# KiCad board JL.kicad_pcb (continued)
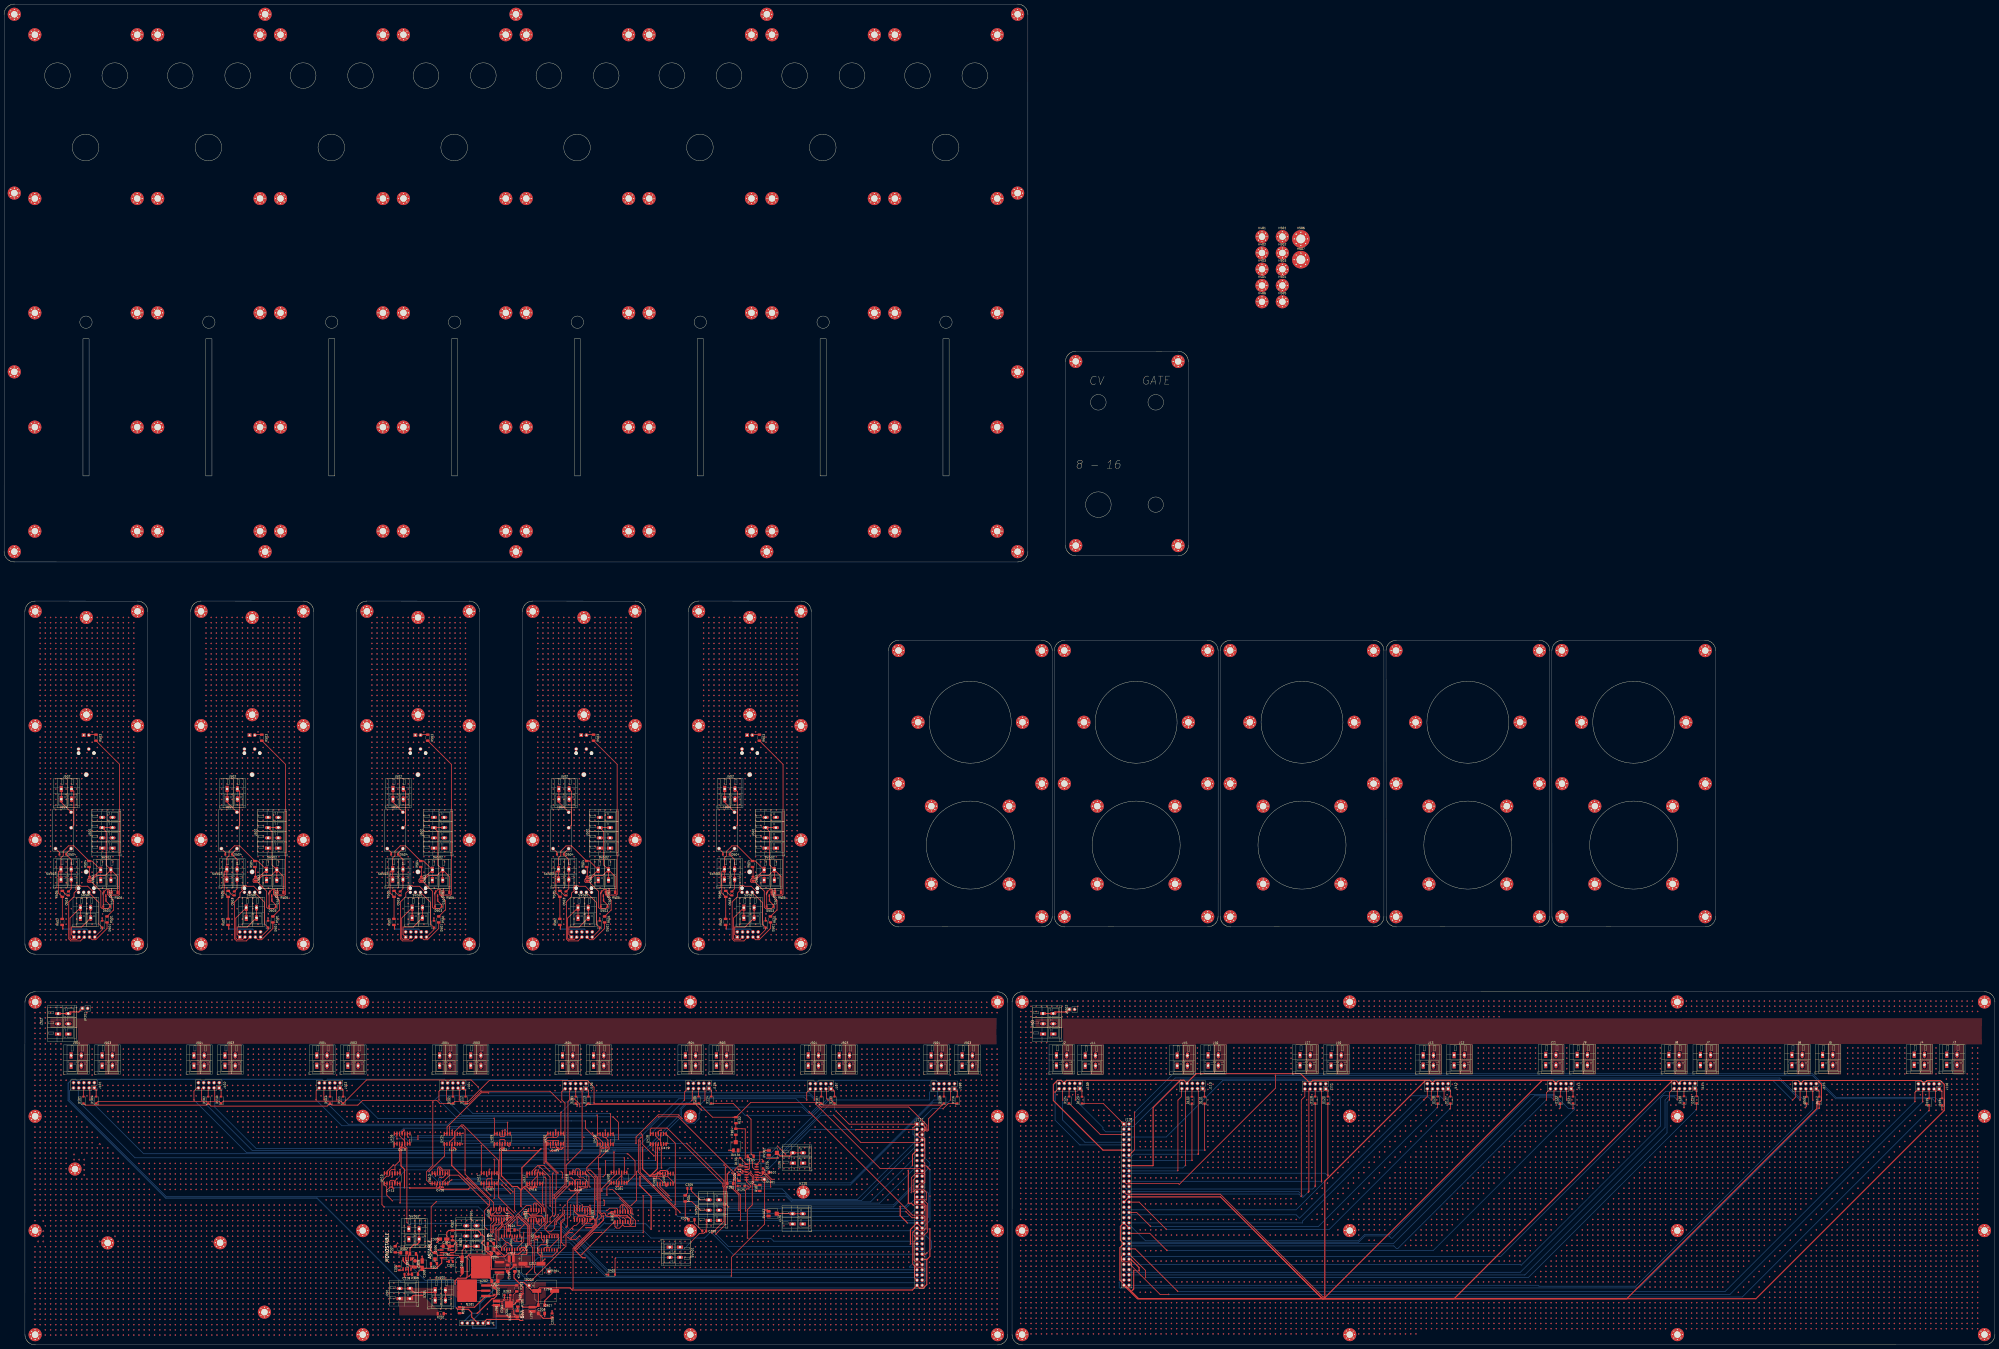
[diagram p0: board, top side]
## Routing (per net, layer and track width the routed paths; a pad name or vN(x,y) marks a point on that pad's centre or on a via; arc(x,y) is an arc through that point) (continued)
v1(78.57,111.49) v1(78.57,108.95) v1(78.57,106.41) v1(78.57,103.87) v1(78.57,101.33) v1(78.57,98.79) v1(78.57,96.25) v1(78.57,88.63) v1(78.57,86.09) v1(78.57,83.55) v1(78.57,81.01) v1(78.57,78.47) v1(78.57,75.93) v1(78.57,68.31) v1(78.57,65.77) v1(78.57,63.23) v1(78.57,60.69) v1(78.57,58.15) v1(78.57,55.61) v1(78.57,53.07) v1(78.57,50.53) v1(78.57,47.99) v1(78.57,45.45) v1(78.57,42.91) v1(78.57,40.37) v1(78.57,37.83) v1(78.57,35.29) v1(78.57,32.75) v1(78.57,30.21) v1(78.57,27.67) v1(78.57,25.13) v1(78.57,22.59) v1(78.57,20.05) v1(78.57,17.51) v1(78.57,14.97) v1(78.57,12.43) v1(78.57,9.89) v1(78.57,7.35) v1(78.57,4.81) v1(81.11,167.37) v1(81.11,164.83) v1(81.11,162.29) v1(81.11,144.51) v1(81.11,141.97) v1(81.11,139.43) v1(81.11,136.89) v1(81.11,134.35) v1(81.11,131.81) v1(81.11,126.73) v1(81.11,124.19) v1(81.11,121.65) v1(81.11,114.03) v1(81.11,111.49) v1(81.11,108.95) v1(81.11,106.41) v1(81.11,103.87) v1(81.11,101.33) v1(81.11,98.79) v1(81.11,96.25) v1(81.11,88.63) v1(81.11,86.09) v1(81.11,83.55) v1(81.11,81.01) v1(81.11,78.47) v1(81.11,75.93) v1(81.11,68.31) v1(81.11,65.77) v1(81.11,63.23) v1(81.11,60.69) v1(81.11,58.15) v1(81.11,55.61) v1(81.11,53.07) v1(81.11,50.53) v1(81.11,47.99) v1(81.11,45.45) v1(81.11,42.91) v1(81.11,40.37) v1(81.11,37.83) v1(81.11,35.29) v1(81.11,32.75) v1(81.11,30.21) v1(81.11,27.67) v1(81.11,25.13) v1(81.11,22.59) v1(81.11,20.05) v1(81.11,17.51) v1(81.11,14.97) v1(81.11,12.43) v1(81.11,9.89) v1(81.11,7.35) v1(81.11,4.81) v1(83.65,167.37) v1(83.65,164.83) v1(83.65,162.29) v1(83.65,144.51) v1(83.65,141.97) v1(83.65,139.43) v1(83.65,136.89) v1(83.65,134.35) v1(83.65,131.81) v1(83.65,126.73) v1(83.65,124.19) v1(83.65,121.65) v1(83.65,114.03) v1(83.65,111.49) v1(83.65,108.95) v1(83.65,106.41) v1(83.65,103.87) v1(83.65,101.33) v1(83.65,98.79) v1(83.65,96.25) v1(83.65,88.63) v1(83.65,86.09) v1(83.65,83.55) v1(83.65,81.01) v1(83.65,78.47) v1(83.65,75.93) v1(83.65,68.31) v1(83.65,65.77) v1(83.65,63.23) v1(83.65,60.69) v1(83.65,58.15) v1(83.65,55.61) v1(83.65,53.07) v1(83.65,50.53) v1(83.65,47.99) v1(83.65,45.45) v1(83.65,42.91) v1(83.65,40.37) v1(83.65,37.83) v1(83.65,35.29) v1(83.65,32.75) v1(83.65,30.21) v1(83.65,27.67) v1(83.65,25.13) v1(83.65,22.59) v1(83.65,20.05) v1(83.65,17.51) v1(83.65,14.97) v1(83.65,12.43) v1(83.65,9.89) v1(83.65,7.35) v1(83.65,4.81) v1(86.19,167.37) v1(86.19,164.83) v1(86.19,162.29) v1(86.19,144.51) v1(86.19,141.97) v1(86.19,139.43) v1(86.19,136.89) v1(86.19,134.35) v1(86.19,131.81) v1(86.19,126.73) v1(86.19,124.19) v1(86.19,121.65) v1(86.19,114.03) v1(86.19,111.49) v1(86.19,108.95) v1(86.19,106.41) v1(86.19,103.87) v1(86.19,101.33) v1(86.19,98.79) v1(86.19,96.25) v1(86.19,88.63) v1(86.19,86.09) v1(86.19,83.55) v1(86.19,81.01) v1(86.19,78.47) v1(86.19,75.93) v1(86.19,68.31) v1(86.19,65.77) v1(86.19,63.23) v1(86.19,60.69) v1(86.19,58.15) v1(86.19,55.61) v1(86.19,53.07) v1(86.19,50.53) v1(86.19,47.99) v1(86.19,45.45) v1(86.19,42.91) v1(86.19,40.37) v1(86.19,37.83) v1(86.19,35.29) v1(86.19,32.75) v1(86.19,30.21) v1(86.19,27.67) v1(86.19,25.13) v1(86.19,22.59) v1(86.19,20.05) v1(86.19,17.51) v1(86.19,14.97) v1(86.19,12.43) v1(86.19,9.89) v1(86.19,7.35) v1(86.19,4.81) v1(88.73,167.37) v1(88.73,164.83) v1(88.73,162.29) v1(88.73,126.73) v1(88.73,124.19) v1(88.73,121.65) v1(88.73,114.03) v1(88.73,111.49) v1(88.73,108.95) v1(88.73,106.41) v1(88.73,103.87) v1(88.73,101.33) v1(88.73,98.79) v1(88.73,96.25) v1(88.73,88.63) v1(88.73,86.09) v1(88.73,83.55) v1(88.73,81.01) v1(88.73,78.47) v1(88.73,75.93) v1(88.73,68.31) v1(88.73,65.77) v1(88.73,63.23) v1(88.73,60.69) v1(88.73,58.15) v1(88.73,55.61) v1(88.73,53.07) v1(88.73,50.53) v1(88.73,47.99) v1(88.73,45.45) v1(88.73,42.91) v1(88.73,40.37) v1(88.73,37.83) v1(88.73,35.29) v1(88.73,32.75) v1(88.73,30.21) v1(88.73,27.67) v1(88.73,25.13) v1(88.73,22.59) v1(88.73,20.05) v1(88.73,17.51) v1(88.73,14.97) v1(88.73,12.43) v1(88.73,9.89) v1(88.73,7.35) v1(88.73,4.81) v1(91.27,167.37) v1(91.27,164.83) v1(91.27,162.29) v1(91.27,126.73) v1(91.27,124.19) v1(91.27,121.65) v1(91.27,114.03) v1(91.27,111.49) v1(91.27,108.95) v1(91.27,106.41) v1(91.27,103.87) v1(91.27,101.33) v1(91.27,98.79) v1(91.27,96.25) v1(91.27,88.63) v1(91.27,86.09) v1(91.27,83.55) v1(91.27,81.01) v1(91.27,78.47) v1(91.27,75.93) v1(91.27,68.31) v1(91.27,65.77) v1(91.27,63.23) v1(91.27,60.69) v1(91.27,58.15) v1(91.27,55.61) v1(91.27,53.07) v1(91.27,50.53) v1(91.27,47.99) v1(91.27,45.45) v1(91.27,42.91) v1(91.27,40.37) v1(91.27,37.83) v1(91.27,35.29) v1(91.27,32.75) v1(91.27,30.21) v1(91.27,27.67) v1(91.27,25.13) v1(91.27,22.59) v1(91.27,20.05) v1(91.27,17.51) v1(91.27,14.97) v1(91.27,12.43) v1(91.27,9.89) v1(91.27,7.35) v1(91.27,4.81) v1(93.81,167.37) v1(93.81,164.83) v1(93.81,162.29) v1(93.81,121.65) v1(93.81,114.03) v1(93.81,111.49) v1(93.81,108.95) v1(93.81,106.41) v1(93.81,103.87) v1(93.81,101.33) v1(93.81,98.79) v1(93.81,96.25) v1(93.81,88.63) v1(93.81,86.09) v1(93.81,83.55) v1(93.81,81.01) v1(93.81,78.47) v1(93.81,75.93) v1(93.81,68.31) v1(93.81,65.77) v1(93.81,63.23) v1(93.81,60.69) v1(93.81,58.15) v1(93.81,55.61) v1(93.81,53.07) v1(93.81,50.53) v1(93.81,47.99) v1(93.81,45.45) v1(93.81,42.91) v1(93.81,40.37) v1(93.81,37.83) v1(93.81,35.29) v1(93.81,32.75) v1(93.81,30.21) v1(93.81,27.67) v1(93.81,25.13) v1(93.81,22.59) v1(93.81,20.05) v1(93.81,17.51) v1(93.81,14.97) v1(93.81,12.43) v1(93.81,9.89) v1(93.81,7.35) v1(93.81,4.81) v1(96.35,167.37) v1(96.35,164.83) v1(96.35,162.29) v1(96.35,111.49) v1(96.35,108.95) v1(96.35,106.41) v1(96.35,103.87) v1(96.35,101.33) v1(96.35,98.79) v1(96.35,96.25) v1(96.35,88.63) v1(96.35,86.09) v1(96.35,83.55) v1(96.35,81.01) v1(96.35,78.47) v1(96.35,75.93) v1(96.35,68.31) v1(96.35,65.77) v1(96.35,63.23) v1(96.35,60.69) v1(96.35,58.15) v1(96.35,55.61) v1(96.35,53.07) v1(96.35,50.53) v1(96.35,47.99) v1(96.35,45.45) v1(96.35,42.91) v1(96.35,40.37) v1(96.35,37.83) v1(96.35,35.29) v1(96.35,32.75) v1(96.35,30.21) v1(96.35,27.67) v1(96.35,25.13) v1(96.35,22.59) v1(96.35,20.05) v1(96.35,17.51) v1(96.35,14.97) v1(96.35,12.43) v1(96.35,9.89) v1(96.35,7.35) v1(96.35,4.81) v1(98.89,167.37) v1(98.89,164.83) v1(98.89,162.29) v1(98.89,108.95) v1(98.89,106.41) v1(98.89,103.87) v1(98.89,101.33) v1(98.89,98.79) v1(98.89,96.25) v1(98.89,88.63) v1(98.89,86.09) v1(98.89,83.55) v1(98.89,81.01) v1(98.89,78.47) v1(98.89,75.93) v1(98.89,68.31) v1(98.89,65.77) v1(98.89,63.23) v1(98.89,60.69) v1(98.89,58.15) v1(98.89,55.61) v1(98.89,53.07) v1(98.89,50.53) v1(98.89,47.99) v1(98.89,45.45) v1(98.89,42.91) v1(98.89,40.37) v1(98.89,37.83) v1(98.89,35.29) v1(98.89,32.75) v1(98.89,30.21) v1(98.89,27.67) v1(98.89,25.13) v1(98.89,22.59) v1(98.89,20.05) v1(98.89,17.51) v1(98.89,14.97) v1(98.89,12.43) v1(98.89,9.89) v1(98.89,7.35) v1(98.89,4.81) v1(101.43,167.37) v1(101.43,164.83) v1(101.43,162.29) v1(101.43,121.65) v1(101.43,106.41) v1(101.43,103.87) v1(101.43,101.33) v1(101.43,98.79) v1(101.43,96.25) v1(101.43,88.63) v1(101.43,86.09) v1(101.43,83.55) v1(101.43,81.01) v1(101.43,78.47) v1(101.43,75.93) v1(101.43,68.31) v1(101.43,65.77) v1(101.43,63.23) v1(101.43,60.69) v1(101.43,58.15) v1(101.43,55.61) v1(101.43,47.99) v1(101.43,45.45) v1(101.43,42.91) v1(101.43,40.37) v1(101.43,37.83) v1(101.43,35.29) v1(101.43,32.75) v1(101.43,30.21) v1(101.43,27.67) v1(101.43,25.13) v1(101.43,22.59) v1(101.43,20.05) v1(101.43,17.51) v1(101.43,14.97) v1(101.43,12.43) v1(101.43,9.89) v1(101.43,7.35) v1(101.43,4.81) v1(103.97,167.37) v1(103.97,164.83) v1(103.97,162.29) v1(103.97,121.65) v1(103.97,103.87) v1(103.97,101.33) v1(103.97,98.79) v1(103.97,96.25) v1(103.97,88.63) v1(103.97,86.09) v1(103.97,83.55) v1(103.97,81.01) v1(103.97,78.47) v1(103.97,75.93) v1(103.97,68.31) v1(103.97,65.77) v1(103.97,63.23) v1(103.97,60.69) v1(103.97,58.15) v1(103.97,55.61) v1(103.97,45.45) v1(103.97,42.91) v1(103.97,40.37) v1(103.97,37.83) v1(103.97,35.29) v1(103.97,32.75) v1(103.97,30.21) v1(103.97,27.67) v1(103.97,25.13) v1(103.97,22.59) v1(103.97,20.05) v1(103.97,17.51) v1(103.97,14.97) v1(103.97,12.43) v1(103.97,9.89) v1(103.97,7.35) v1(103.97,4.81) v1(106.51,167.37) v1(106.51,164.83) v1(106.51,162.29) v1(106.51,101.33) v1(106.51,98.79) v1(106.51,96.25) v1(106.51,88.63) v1(106.51,86.09) v1(106.51,83.55) v1(106.51,81.01) v1(106.51,78.47) v1(106.51,75.93) v1(106.51,68.31) v1(106.51,65.77) v1(106.51,63.23) v1(106.51,60.69) v1(106.51,58.15) v1(106.51,55.61) v1(106.51,45.45) v1(106.51,42.91) v1(106.51,40.37) v1(106.51,37.83) v1(106.51,35.29) v1(106.51,32.75) v1(106.51,30.21) v1(106.51,27.67) v1(106.51,25.13) v1(106.51,22.59) v1(106.51,20.05) v1(106.51,17.51) v1(106.51,14.97) v1(106.51,12.43) v1(106.51,9.89) v1(106.51,7.35) v1(106.51,4.81) v1(109.05,167.37) v1(109.05,164.83) v1(109.05,162.29) v1(109.05,126.73) v1(109.05,124.19) v1(109.05,121.65) v1(109.05,114.03) v1(109.05,98.79) v1(109.05,96.25) v1(109.05,88.63) v1(109.05,86.09) v1(109.05,83.55) v1(109.05,81.01) v1(109.05,78.47) v1(109.05,75.93) v1(109.05,68.31) v1(109.05,65.77) v1(109.05,63.23) v1(109.05,60.69) v1(109.05,58.15) v1(109.05,55.61) v1(109.05,45.45) v1(109.05,42.91) v1(109.05,40.37) v1(109.05,37.83) v1(109.05,35.29) v1(109.05,32.75) v1(109.05,30.21) v1(109.05,27.67) v1(109.05,25.13) v1(109.05,22.59) v1(109.05,20.05) v1(109.05,17.51) v1(109.05,14.97) v1(109.05,12.43) v1(109.05,9.89) v1(109.05,7.35) v1(109.05,4.81) v1(111.59,167.37) v1(111.59,164.83) v1(111.59,162.29) v1(111.59,126.73) v1(111.59,124.19) v1(111.59,121.65) v1(111.59,114.03) v1(111.59,111.49) v1(111.59,96.25) v1(111.59,88.63) v1(111.59,86.09) v1(111.59,83.55) v1(111.59,81.01) v1(111.59,78.47) v1(111.59,75.93) v1(111.59,68.31) v1(111.59,65.77) v1(111.59,63.23) v1(111.59,60.69) v1(111.59,58.15) v1(111.59,55.61) v1(111.59,53.07) v1(111.59,50.53) v1(111.59,47.99) v1(111.59,45.45) v1(111.59,42.91) v1(111.59,40.37) v1(111.59,37.83) v1(111.59,35.29) v1(111.59,32.75) v1(111.59,30.21) v1(111.59,27.67) v1(111.59,25.13) v1(111.59,22.59) v1(111.59,20.05) v1(111.59,17.51) v1(111.59,14.97) v1(111.59,12.43) v1(111.59,9.89) v1(111.59,7.35) v1(111.59,4.81) v1(114.13,167.37) v1(114.13,164.83) v1(114.13,162.29) v1(114.13,126.73) v1(114.13,124.19) v1(114.13,121.65) v1(114.13,114.03) v1(114.13,111.49) v1(114.13,108.95) v1(114.13,88.63) v1(114.13,86.09) v1(114.13,83.55) v1(114.13,81.01) v1(114.13,78.47) v1(114.13,75.93) v1(114.13,68.31) v1(114.13,65.77) v1(114.13,63.23) v1(114.13,60.69) v1(114.13,58.15) v1(114.13,55.61) v1(114.13,53.07) v1(114.13,50.53) v1(114.13,47.99) v1(114.13,45.45) v1(114.13,42.91) v1(114.13,40.37) v1(114.13,37.83) v1(114.13,35.29) v1(114.13,32.75) v1(114.13,30.21) v1(114.13,27.67) v1(114.13,25.13) v1(114.13,22.59) v1(114.13,20.05) v1(114.13,17.51) v1(114.13,14.97) v1(114.13,12.43) v1(114.13,9.89) v1(114.13,7.35) v1(114.13,4.81) v1(116.67,167.37) v1(116.67,164.83) v1(116.67,162.29) v1(116.67,126.73) v1(116.67,124.19) v1(116.67,121.65) v1(116.67,114.03) v1(116.67,111.49) v1(116.67,108.95) v1(116.67,106.41) v1(116.67,88.63) v1(116.67,86.09) v1(116.67,83.55) v1(116.67,81.01) v1(116.67,78.47) v1(116.67,75.93) v1(116.67,68.31) v1(116.67,65.77) v1(116.67,63.23) v1(116.67,60.69) v1(116.67,58.15) v1(116.67,55.61) v1(116.67,53.07) v1(116.67,50.53) v1(116.67,47.99) v1(116.67,45.45) v1(116.67,42.91) v1(116.67,40.37) v1(116.67,37.83) v1(116.67,35.29) v1(116.67,32.75) v1(116.67,30.21) v1(116.67,27.67) v1(116.67,25.13) v1(116.67,22.59) v1(116.67,20.05) v1(116.67,17.51) v1(116.67,14.97) v1(116.67,12.43) v1(116.67,9.89) v1(116.67,7.35) v1(116.67,4.81) v1(119.21,167.37) v1(119.21,164.83) v1(119.21,162.29) v1(119.21,144.51) v1(119.21,141.97) v1(119.21,139.43) v1(119.21,136.89) v1(119.21,134.35) v1(119.21,131.81) v1(119.21,126.73) v1(119.21,124.19) v1(119.21,121.65) v1(119.21,114.03) v1(119.21,111.49) v1(119.21,108.95) v1(119.21,106.41) v1(119.21,103.87) v1(119.21,88.63) v1(119.21,86.09) v1(119.21,83.55) v1(119.21,81.01) v1(119.21,78.47) v1(119.21,75.93) v1(119.21,68.31) v1(119.21,65.77) v1(119.21,63.23) v1(119.21,60.69) v1(119.21,58.15) v1(119.21,55.61) v1(119.21,53.07) v1(119.21,50.53) v1(119.21,47.99) v1(119.21,45.45) v1(119.21,42.91) v1(119.21,40.37) v1(119.21,37.83) v1(119.21,35.29) v1(119.21,32.75) v1(119.21,30.21) v1(119.21,27.67) v1(119.21,25.13) v1(119.21,22.59) v1(119.21,20.05) v1(119.21,17.51) v1(119.21,14.97) v1(119.21,12.43) v1(119.21,9.89) v1(119.21,7.35) v1(119.21,4.81) v1(121.75,167.37) v1(121.75,164.83) v1(121.75,162.29) v1(121.75,144.51) v1(121.75,141.97) v1(121.75,139.43) v1(121.75,136.89) v1(121.75,134.35) v1(121.75,131.81) v1(121.75,126.73) v1(121.75,124.19) v1(121.75,121.65) v1(121.75,114.03) v1(121.75,111.49) v1(121.75,108.95) v1(121.75,106.41) v1(121.75,103.87) v1(121.75,101.33) v1(121.75,88.63) v1(121.75,86.09) v1(121.75,83.55) v1(121.75,81.01) v1(121.75,78.47) v1(121.75,75.93) v1(121.75,68.31) v1(121.75,65.77) v1(121.75,63.23) v1(121.75,60.69) v1(121.75,58.15) v1(121.75,55.61) v1(121.75,53.07) v1(121.75,50.53) v1(121.75,47.99) v1(121.75,45.45) v1(121.75,42.91) v1(121.75,40.37) v1(121.75,37.83) v1(121.75,35.29) v1(121.75,32.75) v1(121.75,30.21) v1(121.75,27.67) v1(121.75,25.13) v1(121.75,22.59) v1(121.75,20.05) v1(121.75,17.51) v1(121.75,14.97) v1(121.75,12.43) v1(121.75,9.89) v1(121.75,7.35) v1(121.75,4.81) v1(124.29,167.37) v1(124.29,164.83) v1(124.29,162.29) v1(124.29,144.51) v1(124.29,141.97) v1(124.29,139.43) v1(124.29,136.89) v1(124.29,134.35) v1(124.29,131.81) v1(124.29,126.73) v1(124.29,124.19) v1(124.29,121.65) v1(124.29,114.03) v1(124.29,111.49) v1(124.29,108.95) v1(124.29,106.41) v1(124.29,103.87) v1(124.29,101.33) v1(124.29,98.79) v1(124.29,88.63) v1(124.29,86.09) v1(124.29,83.55) v1(124.29,81.01) v1(124.29,78.47) v1(124.29,75.93) v1(124.29,68.31) v1(124.29,65.77) v1(124.29,63.23) v1(124.29,60.69) v1(124.29,58.15) v1(124.29,55.61) v1(124.29,53.07) v1(124.29,50.53) v1(124.29,47.99) v1(124.29,45.45) v1(124.29,42.91) v1(124.29,40.37) v1(124.29,37.83) v1(124.29,35.29) v1(124.29,32.75) v1(124.29,30.21) v1(124.29,27.67) v1(124.29,25.13) v1(124.29,22.59) v1(124.29,20.05) v1(124.29,12.43) v1(124.29,9.89) v1(124.29,7.35) v1(124.29,4.81) v1(126.83,167.37) v1(126.83,164.83) v1(126.83,162.29) v1(126.83,144.51) v1(126.83,141.97) v1(126.83,139.43) v1(126.83,136.89) v1(126.83,134.35) v1(126.83,131.81) v1(126.83,126.73) v1(126.83,124.19) v1(126.83,121.65) v1(126.83,114.03) v1(126.83,111.49) v1(126.83,108.95) v1(126.83,106.41) v1(126.83,103.87) v1(126.83,101.33) v1(126.83,98.79) v1(126.83,88.63) v1(126.83,86.09) v1(126.83,83.55) v1(126.83,81.01) v1(126.83,78.47) v1(126.83,75.93) v1(126.83,68.31) v1(126.83,65.77) v1(126.83,63.23) v1(126.83,60.69) v1(126.83,58.15) v1(126.83,55.61) v1(126.83,53.07) v1(126.83,50.53) v1(126.83,47.99) v1(126.83,45.45) v1(126.83,42.91) v1(126.83,40.37) v1(126.83,37.83) v1(126.83,35.29) v1(126.83,32.75) v1(126.83,30.21) v1(126.83,27.67) v1(126.83,25.13) v1(126.83,22.59) v1(126.83,9.89) v1(126.83,7.35) v1(126.83,4.81) v1(129.37,167.37) v1(129.37,164.83) v1(129.37,162.29) v1(129.37,144.51) v1(129.37,141.97) v1(129.37,139.43) v1(129.37,136.89) v1(129.37,134.35) v1(129.37,131.81) v1(129.37,126.73) v1(129.37,124.19) v1(129.37,121.65) v1(129.37,114.03) v1(129.37,111.49) v1(129.37,108.95) v1(129.37,106.41) v1(129.37,103.87) v1(129.37,101.33) v1(129.37,98.79) v1(129.37,88.63) v1(129.37,86.09) v1(129.37,83.55) v1(129.37,81.01) v1(129.37,78.47) v1(129.37,75.93) v1(129.37,68.31) v1(129.37,65.77) v1(129.37,63.23) v1(129.37,60.69) v1(129.37,58.15) v1(129.37,55.61) v1(129.37,53.07) v1(129.37,50.53) v1(129.37,47.99) v1(129.37,45.45) v1(129.37,42.91) v1(129.37,40.37) v1(129.37,37.83) v1(129.37,35.29) v1(129.37,32.75) v1(129.37,30.21) v1(129.37,27.67) v1(129.37,25.13) v1(129.37,22.59) v1(129.37,20.05) v1(129.37,9.89) v1(129.37,7.35) v1(129.37,4.81) v1(131.91,167.37) v1(131.91,164.83) v1(131.91,162.29) v1(131.91,144.51) v1(131.91,141.97) v1(131.91,139.43) v1(131.91,136.89) v1(131.91,134.35) v1(131.91,131.81) v1(131.91,126.73) v1(131.91,124.19) v1(131.91,121.65) v1(131.91,114.03) v1(131.91,111.49) v1(131.91,108.95) v1(131.91,106.41) v1(131.91,103.87) v1(131.91,101.33) v1(131.91,98.79) v1(131.91,88.63) v1(131.91,86.09) v1(131.91,83.55) v1(131.91,81.01) v1(131.91,78.47) v1(131.91,75.93) v1(131.91,68.31) v1(131.91,65.77) v1(131.91,63.23) v1(131.91,60.69) v1(131.91,58.15) v1(131.91,55.61) v1(131.91,53.07) v1(131.91,50.53) v1(131.91,47.99) v1(131.91,45.45) v1(131.91,42.91) v1(131.91,40.37) v1(131.91,37.83) v1(131.91,35.29) v1(131.91,32.75) v1(131.91,30.21) v1(131.91,27.67) v1(131.91,25.13) v1(131.91,22.59) v1(131.91,20.05) v1(131.91,17.51) v1(131.91,14.97) v1(131.91,12.43) v1(131.91,9.89) v1(131.91,7.35) v1(131.91,4.81) v1(134.45,167.37) v1(134.45,164.83) v1(134.45,162.29) v1(134.45,144.51) v1(134.45,141.97) v1(134.45,139.43) v1(134.45,136.89) v1(134.45,134.35) v1(134.45,131.81) v1(134.45,126.73) v1(134.45,124.19) v1(134.45,121.65) v1(134.45,114.03) v1(134.45,111.49) v1(134.45,108.95) v1(134.45,106.41) v1(134.45,103.87) v1(134.45,101.33) v1(134.45,98.79) v1(134.45,88.63) v1(134.45,86.09) v1(134.45,83.55) v1(134.45,81.01) v1(134.45,78.47) v1(134.45,75.93) v1(134.45,68.31) v1(134.45,65.77) v1(134.45,63.23) v1(134.45,60.69) v1(134.45,58.15) v1(134.45,55.61) v1(134.45,53.07) v1(134.45,50.53) v1(134.45,47.99) v1(134.45,45.45) v1(134.45,42.91) v1(134.45,40.37) v1(134.45,37.83) v1(134.45,35.29) v1(134.45,32.75) v1(134.45,30.21) v1(134.45,27.67) v1(134.45,25.13) v1(134.45,22.59) v1(134.45,20.05) v1(134.45,17.51) v1(134.45,14.97) v1(134.45,12.43) v1(134.45,9.89) v1(134.45,7.35) v1(134.45,4.81) v1(136.99,167.37) v1(136.99,164.83) v1(136.99,162.29) v1(136.99,144.51) v1(136.99,141.97) v1(136.99,139.43) v1(136.99,136.89) v1(136.99,134.35) v1(136.99,131.81) v1(136.99,126.73) v1(136.99,124.19) v1(136.99,121.65) v1(136.99,114.03) v1(136.99,111.49) v1(136.99,108.95) v1(136.99,106.41) v1(136.99,103.87) v1(136.99,101.33) v1(136.99,98.79) v1(136.99,88.63) v1(136.99,86.09) v1(136.99,83.55) v1(136.99,81.01) v1(136.99,78.47) v1(136.99,75.93) v1(136.99,68.31) v1(136.99,65.77) v1(136.99,63.23) v1(136.99,60.69) v1(136.99,58.15) v1(136.99,55.61) v1(136.99,53.07) v1(136.99,50.53) v1(136.99,47.99) v1(136.99,45.45) v1(136.99,42.91) v1(136.99,40.37) v1(136.99,37.83) v1(136.99,35.29) v1(136.99,32.75) v1(136.99,30.21) v1(136.99,27.67) v1(136.99,25.13) v1(136.99,22.59) v1(136.99,20.05) v1(136.99,17.51) v1(136.99,14.97) v1(136.99,12.43) v1(136.99,9.89) v1(136.99,7.35) v1(136.99,4.81) v1(139.53,167.37) v1(139.53,164.83) v1(139.53,162.29) v1(139.53,144.51) v1(139.53,141.97) v1(139.53,139.43) v1(139.53,136.89) v1(139.53,134.35) v1(139.53,131.81) v1(139.53,126.73) v1(139.53,124.19) v1(139.53,121.65) v1(139.53,114.03) v1(139.53,111.49) v1(139.53,108.95) v1(139.53,106.41) v1(139.53,103.87) v1(139.53,101.33) v1(139.53,98.79) v1(139.53,88.63) v1(139.53,86.09) v1(139.53,83.55) v1(139.53,81.01) v1(139.53,78.47) v1(139.53,75.93) v1(139.53,68.31) v1(139.53,65.77) v1(139.53,63.23) v1(139.53,60.69) v1(139.53,58.15) v1(139.53,55.61) v1(139.53,53.07) v1(139.53,50.53) v1(139.53,47.99) v1(139.53,45.45) v1(139.53,42.91) v1(139.53,40.37) v1(139.53,37.83) v1(139.53,35.29) v1(139.53,32.75) v1(139.53,30.21) v1(139.53,27.67) v1(139.53,25.13) v1(139.53,22.59) v1(139.53,20.05) v1(139.53,17.51) v1(139.53,14.97) v1(139.53,12.43) v1(139.53,9.89) v1(139.53,7.35) v1(139.53,4.81) v1(142.07,167.37) v1(142.07,164.83) v1(142.07,162.29) v1(142.07,144.51) v1(142.07,141.97) v1(142.07,139.43) v1(142.07,136.89) v1(142.07,134.35) v1(142.07,131.81) v1(142.07,126.73) v1(142.07,124.19) v1(142.07,121.65) v1(142.07,114.03) v1(142.07,111.49) v1(142.07,108.95) v1(142.07,106.41) v1(142.07,103.87) v1(142.07,101.33) v1(142.07,98.79) v1(142.07,88.63) v1(142.07,86.09) v1(142.07,83.55) v1(142.07,81.01) v1(142.07,78.47) v1(142.07,75.93) v1(142.07,68.31) v1(142.07,65.77) v1(142.07,63.23) v1(142.07,60.69) v1(142.07,58.15) v1(142.07,55.61) v1(142.07,53.07) v1(142.07,50.53) v1(142.07,47.99) v1(142.07,45.45) v1(142.07,42.91) v1(142.07,40.37) v1(142.07,37.83) v1(142.07,35.29) v1(142.07,32.75) v1(142.07,30.21) v1(142.07,27.67) v1(142.07,25.13) v1(142.07,22.59) v1(142.07,20.05) v1(142.07,17.51) v1(142.07,14.97) v1(142.07,12.43) v1(142.07,9.89) v1(142.07,7.35) v1(142.07,4.81) v1(144.61,167.37) 